# Altium PCB CPU_CARD.pcbdoc (part 8 of 10) (continued)
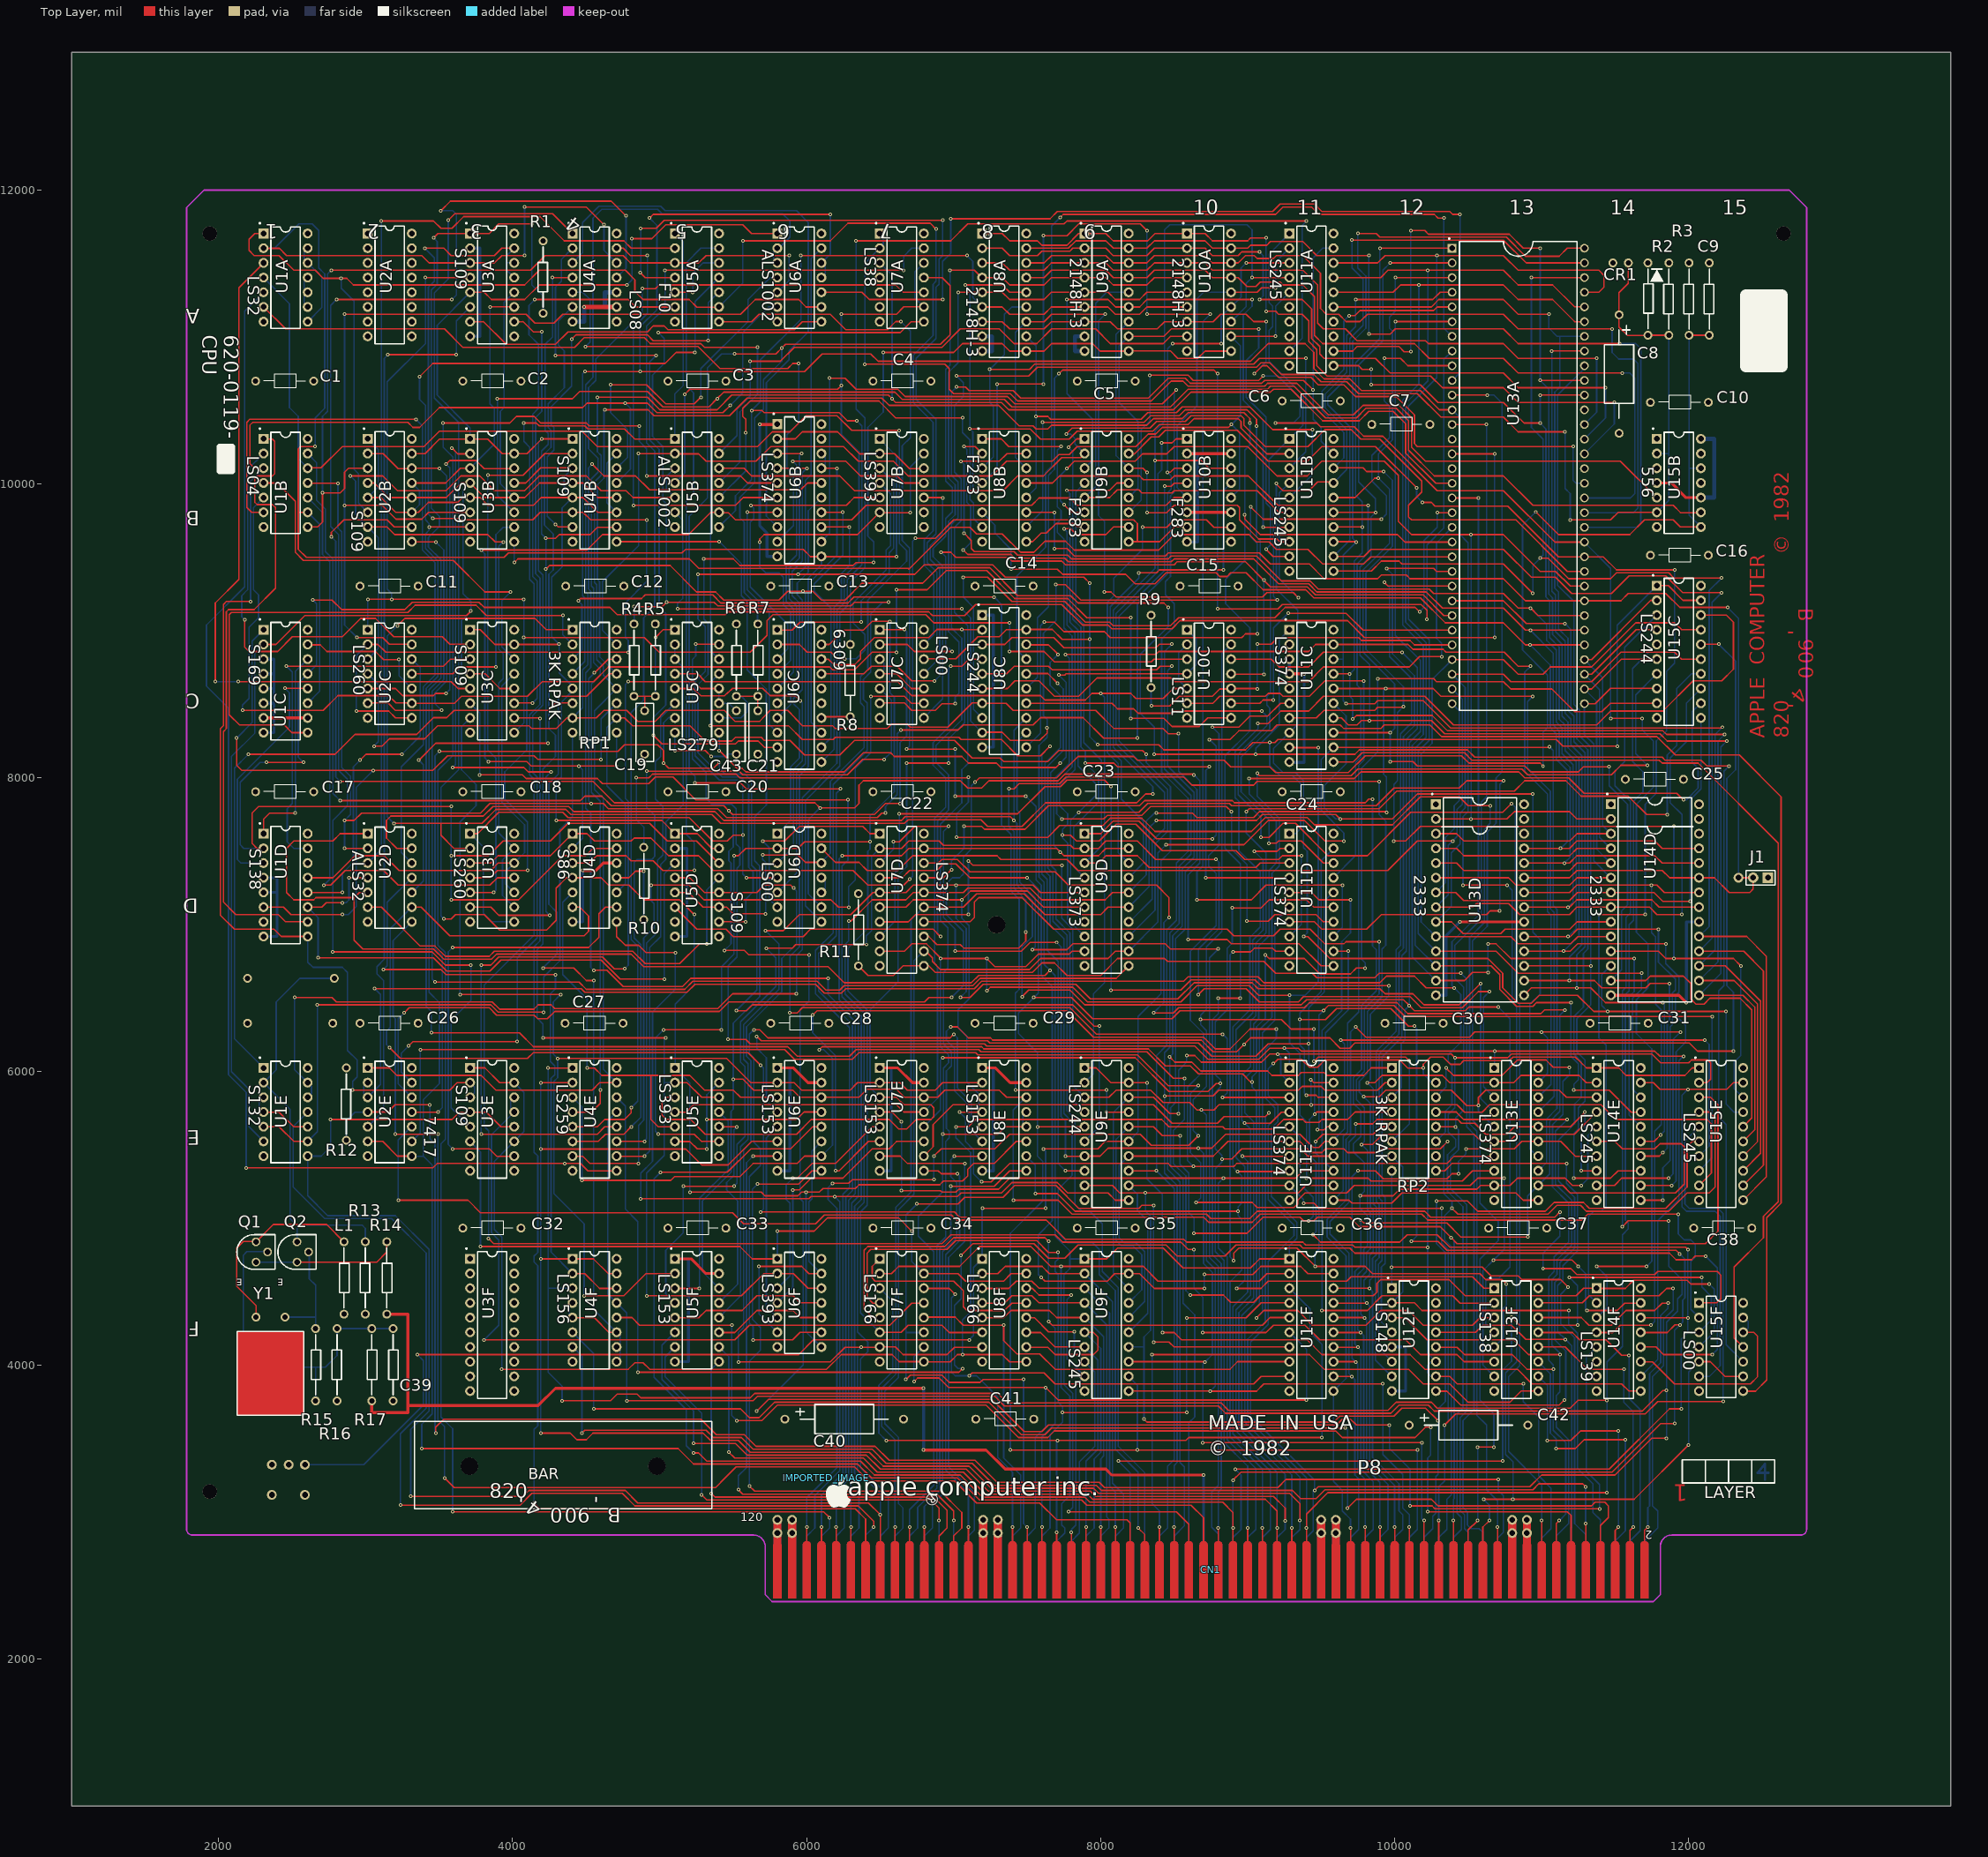
[diagram p0: Top Layer view]
## Nets (pads, with @x,y where several pads share a name; then routed paths per layer and width w, separated by ;. In a path a pad name is that pad's centre, name@x,y a point inside that pad or via, vN(x,y) a via of type N, cw(c..) or ccw(c..) an arc to the next point about the centre after c; other vN are vias at no path point) (continued)
  Bottom Layer w10: v1(7801.7,2862.2) 7801.7,2882.2 7831.7,2912.2 7831.7,3863.4 U9F.9@7891.92,3923.59 7771.7,4043.8 7771.7,4447.2 v1(7801.7,4477.2)
MD8: CN1.81 U7F.2 U11F.2 | length 5126.9
  Top Layer w10: U7F.2@6498.23,4623.6 6499.6,4622.2 6576.7,4622.2 6626.7,4672.2 7041.7,4672.2 7176.7,4807.2 7526.7,4807.2 7661.7,4672.2 v1(7731.7,4672.2) 8291.7,4672.2 8391.7,4572.2 9081.7,4572.2 9133.09,4623.6 U11F.2@9285.62,4623.59
  Bottom Layer w10: 7701.77,2607.2 7701.77,2802.27 7756.7,2857.2 7756.7,2892.2 7736.7,2912.2 7736.7,3057.2 7791.7,3112.2 7791.7,3787.2 7731.7,3847.2 v1(7731.7,4672.2)
MD9: CN1.82 U7F.3 U11F.3 | length 6097.5
  Top Layer w10: v1(6541.7,3487.2) 7101.7,3487.2 7706.7,3487.2 8581.7,3487.2 8601.7,3507.2 v1(9506.7,3507.2) ; v1(7701.7,2862.2) 7701.77,2862.14 7701.77,2607.2
  Bottom Layer w10: U7F.3@6498.23,4523.6 6586.7,4435.1 6586.7,3957.2 6491.7,3862.2 6491.7,3537.2 v1(6541.7,3487.2) ; v1(7701.7,2862.2) 7701.7,3479.74 v1(7709.17,3487.2) ; U11F.3@9285.62,4523.59 9426.7,4382.51 9426.7,4222.2 9506.7,4142.2 v1(9506.7,3507.2)
MD10: CN1.83 U7F.4 U11F.4 | length 6249.9
  Top Layer w10: U7F.4@6498.23,4423.6 6496.9,4422.2 6451.7,4422.2 6411.7,4462.2 6411.7,4762.2 6436.7,4787.2 6956.7,4787.2 7016.7,4847.2 7566.7,4847.2 7646.7,4767.2 v1(7711.7,4767.2) ; v1(7741.7,3677.2) v1(8586.7,3677.2) ; v1(8586.7,4322.2) 8991.7,4322.2 9093.1,4423.6 U11F.4@9285.62,4423.59
  Bottom Layer w10: 7601.76,2607.2 7601.76,2837.26 7656.7,2892.2 7656.7,3527.2 7741.7,3612.2 v1(7741.7,3677.2) 7741.7,3717.2 7711.7,3747.2 7711.7,4617.2 7691.7,4637.2 7691.7,4702.2 7711.7,4722.2 v1(7711.7,4767.2) ; v1(8586.7,3677.2) v1(8586.7,4322.2)
MD11: CN1.84 U7F.5 U11F.5 | length 5794
  Top Layer w10: U7F.5@6498.23,4323.6 6496.9,4322.2 6451.7,4322.2 6391.7,4382.2 6391.7,4782.2 6416.7,4807.2 6941.7,4807.2 7001.7,4867.2 7621.7,4867.2 v1(7646.7,4842.2) ; v1(7601.7,2897.2) v1(7601.7,2897.2) CN1.84@7601.71,2607.22 ; v1(7646.7,4297.2) 7671.7,4272.2 9101.7,4272.2 9153.09,4323.6 U11F.5@9285.62,4323.59
  Bottom Layer w10: v1(7601.7,2897.2) 7601.7,3512.2 7691.7,3602.2 7691.7,4252.2 v1(7646.7,4297.2) v1(7646.7,4842.2)
MD12: CN1.85 U7F.10 U11F.6 | length 4807.7
  Top Layer w10: v1(6731.7,3887.2) 6756.7,3912.2 6901.7,3912.2 6966.7,3847.2 v1(7626.7,3847.2) 7711.7,3762.2 v1(9401.7,3762.2)
  Bottom Layer w10: v1(6731.7,3887.2) 6731.7,4057.06 U7F.10@6798.23,4123.6 ; CN1.85@7501.71,2607.23 7501.75,2837.25 7556.7,2892.2 7556.7,3507.2 7626.7,3577.2 v1(7626.7,3847.2) ; U11F.6@9285.62,4223.59 9401.7,4107.51 v1(9401.7,3762.2)
MD13: CN1.86 U7F.11 U11F.7 | length 7097.1
  Top Layer w10: v1(6676.7,3902.2) 6706.7,3932.2 6921.7,3932.2 6971.7,3882.2 7181.57,3882.2 7201.57,3902.2 v1(7476.7,3902.2) ; v1(6751.7,5097.2) 7031.7,5097.2 7076.7,5142.2 7336.7,5142.2 7416.7,5222.2 7696.7,5222.2 7851.7,5067.2 8261.7,5067.2 8281.7,5087.2 v1(8361.7,5087.2) ; v1(7501.7,2897.2) v1(7501.7,2897.2) CN1.86@7501.71,2607.22 ; v1(8361.7,4157.2) 8466.7,4157.2 8500.31,4123.6 U11F.7@9285.62,4123.59
  Bottom Layer w10: v1(6676.7,3902.2) 6676.7,4222.2 ; v1(6751.7,5097.2) 6676.7,5022.2 6676.7,4222.2 ; U7F.11@6798.23,4223.6 6796.85,4222.2 6676.7,4222.2 ; v1(7476.7,3902.2) 7476.7,2922.2 v1(7501.7,2897.2) ; v1(8361.7,4157.2) v1(8361.7,5087.2)
MD14: CN1.87 U7F.12 U11F.8 | length 4454.1
  Top Layer w10: U7F.12@6798.23,4323.6 6801.85,4327.2 7011.7,4327.2 7066.7,4272.2 v1(7341.7,4272.2) 7341.7,4167.2 7431.7,4077.2 7586.7,4077.2 7691.7,3972.2 8881.7,3972.2 8933.1,4023.6 U11F.8@9285.62,4023.59
  Bottom Layer w10: v1(7341.7,4272.2) 7341.7,3367.2 7456.7,3252.2 7456.7,2892.2 7401.75,2837.25 CN1.87@7401.67,2607.25
MD15: CN1.88 U7F.14 U11F.9 | length 4612.4
  Top Layer w10: U7F.14@6798.23,4523.6 6799.63,4522.2 6971.7,4522.2 v1(7011.7,4482.2) ; v1(7106.7,3927.2) 7126.7,3947.2 7616.7,3947.2 7691.7,3872.2 9041.7,3872.2 9093.1,3923.6 U11F.9@9285.62,3923.59 ; v1(7401.7,2897.2) v1(7401.7,2897.2) CN1.88@7401.67,2607.23
  Bottom Layer w10: v1(7011.7,4482.2) 6986.7,4457.2 6986.7,3952.2 7011.7,3927.2 v1(7106.7,3927.2) 7156.7,3927.2 7301.7,3782.2 7301.7,3372.2 7401.7,3272.2 v1(7401.7,2897.2)
MMUIO: U1A.4 U1B.12 U5D.5 U5D.11 U6D.12 | length 10449.9
  Top Layer w10: U1B.12@2605.32,10104.29 2608.2,10107.2 2696.7,10107.2 2841.7,10252.2 3396.7,10252.2 3501.7,10357.2 4471.7,10357.2 4576.7,10252.2 5666.7,10252.2 5766.7,10352.2 5886.7,10352.2 5996.7,10462.2 6206.7,10462.2 6306.7,10362.2 v1(6631.7,10362.2) ; U5D.5@5104.53,7217.29 5196.6,7217.3 5296.6,7117.3 U5D.11@5404.53,7117.29 ; U5D.11@5404.53,7117.29 5456.56,7117.34 5501.7,7072.2 v1(5721.7,7072.2) ; v1(5701.7,7472.2) 5941.7,7472.2 5991.7,7422.2 6099.38,7422.2 U6D.12@6101.38,7424.2
  Bottom Layer w10: U1A.4@2305.3,11400.9 2481.7,11224.5 2481.7,10517.2 2541.7,10457.2 2541.7,10169.8 U1B.12@2605.32,10104.29 ; v1(5701.7,7472.2) 5701.7,7442.2 5721.7,7422.2 v1(5721.7,7072.2) ; U6D.12@6101.4,7424.2 6161.7,7484.5 6161.7,7972.2 6391.7,8202.2 6391.7,8482.2 6366.7,8507.2 6366.7,8687.2 6416.7,8737.2 6416.7,9207.2 6681.7,9472.2 6681.7,9542.2 6631.7,9592.2 v1(6631.7,10362.2)
MREAD: CN1.107 U1E.11 | length 7115
  Top Layer w10: v1(3236.7,3047.2) 4051.7,3047.2 4131.7,3127.2 4746.7,3127.2 4831.7,3042.2 6351.7,3042.2 6456.7,2937.2 v1(6456.7,2897.2)
  Bottom Layer w10: U1E.11@2605.32,5722.8 2506.7,5624.2 2506.7,5212.2 2721.7,4997.2 3176.7,4997.2 3411.7,4762.2 3411.7,3707.2 3236.7,3532.2 v1(3236.7,3047.2) ; CN1.107@6401.58,2607.23 6401.64,2842.14 v1(6456.7,2897.2)
MS1: U7C.6 U8A.5 U9A.5 U10A.5 | length 5096.8
  Top Layer w10: U7C.6@6498.23,8505.08 6500.4,8507.2 6666.7,8507.2 6716.7,8457.2 6876.7,8457.2 6921.7,8502.2 v1(7011.7,8502.2) ; v1(7031.7,11302.2) 7194.79,11302.2 U8A.5@7195.07,11301.92 ; U8A.5@7195.07,11301.92 7332,11301.9 7381.7,11252.2 7616.7,11252.2 7666.4,11301.9 U9A.5@7891.92,11301.92 8052,11301.9 8101.7,11252.2 8266.7,11252.2 8316.4,11301.9 U10A.5@8588.77,11301.92
  Bottom Layer w10: v1(7011.7,8502.2) 7011.7,8547.2 7036.7,8572.2 7036.7,8922.2 6966.7,8992.2 6966.7,9742.2 7011.7,9787.2 7011.7,9992.2 6966.7,10037.2 6966.7,10757.2 7031.7,10822.2 v1(7031.7,11302.2)
MS2: U7C.8 U8A.4 U9A.4 U10A.4 | length 4927.4
  Top Layer w10: v1(6976.7,11452.2) 7141.7,11452.2 7191.98,11401.92 U8A.4@7195.07,11401.92 ; U8A.4@7195.07,11401.92 7332,11401.9 7381.7,11352.2 7616.7,11352.2 7666.4,11401.9 U9A.4@7891.92,11401.92 8037,11401.9 8086.7,11352.2 8316.7,11352.2 8366.4,11401.9 U10A.4@8588.77,11401.92
  Bottom Layer w10: U7C.8@6798.23,8405.08 6926.7,8533.6 6926.7,9437.2 6861.7,9502.2 6861.7,9557.2 6946.7,9642.2 6946.7,9762.2 6991.7,9807.2 6991.7,9972.2 6946.7,10017.2 6946.7,10777.2 6976.7,10807.2 v1(6976.7,11452.2)
PCK: U1C.13 U1D.2 U4D.13 U5D.14 U13A.15 | length 17715.2
  Top Layer w10: U1D.2@2305.33,7517.29 2261.62,7517.28 2226.7,7552.2 2226.7,7757.2 2271.7,7802.2 v1(3581.7,7802.2) ; v1(2326.7,8102.2) v1(2576.7,8102.2) ; v1(2641.7,9207.2) 2771.7,9207.2 2836.7,9142.2 3266.7,9142.2 3316.7,9192.2 3771.7,9192.2 3806.7,9157.2 4661.7,9157.2 4711.7,9107.2 5446.7,9107.2 5466.7,9127.2 6831.7,9127.2 6856.7,9102.2 7076.7,9102.2 7151.7,9177.2 7736.7,9177.2 7876.7,9037.2 8051.7,9037.2 8076.7,9012.2 8486.7,9012.2 8541.7,9067.2 9681.7,9067.2 9796.7,8952.2 v1(10681.7,8952.2) ; v1(3581.7,7167.2) 4041.7,7167.2 4341.7,7467.2 4496.7,7467.2 4546.7,7517.2 U4D.13@4707.68,7517.29 ; v1(3581.7,7467.2) 3836.7,7467.2 3936.7,7567.2 4256.7,7567.2 4376.7,7687.2 4931.7,7687.2 5051.7,7567.2 5251.7,7567.2 5401.6,7417.3 U5D.14@5404.53,7417.29 ; U13A.15@10392.71,10201.93 v1(10681.7,10202.2)
  Bottom Layer w10: U1D.2@2305.33,7517.29 2171.6,7517.3 2146.7,7542.2 2146.7,7967.2 2281.7,8102.2 v1(2326.7,8102.2) ; v1(2576.7,8102.2) 2541.7,8137.2 2541.7,8641.4 U1C.13@2605.33,8705.08 2666.7,8766.4 2666.7,9182.2 v1(2641.7,9207.2) ; v1(3581.7,7167.2) v1(3581.7,7467.2) v1(3581.7,7802.2) ; v1(10681.7,8952.2) v1(10681.7,10202.2)
PLNCLR: 
Q1_1: Q1.1 Q2.1 R14.1 | length 987.6
  Top Layer w10: Q2.1@2532.96,4701.35 3075.8,4701.3 3143.9,4769.4 R14.1@3143.9,4839.1
  Bottom Layer w10: Q1.1@2254.14,4701.35 Q2.1@2532.96,4701.35
Q1_2: C39.1 Q1.2 R15.2 R16.2 R17.1 | length 2386.3
  Bottom Layer w10: Q1.2@2332.88,4770.24 2330.92,4772.2 2191.7,4772.2 2166.7,4747.2 2166.7,4017.2 2196.7,3987.2 2726.7,3987.2 2805.32,4065.82 R16.2@2805.3,4248.57 R17.1@3041.5,4248.56 C39.1@3187.2,4248.56 ; 2659.1,3987.2 R15.2@2659.6,3756.5
Q1_3: L1.1 Q1.3 Y1.2 | length 1373.3
  Top Layer w10: Y1.2@2254.1,4327.3 2254.1,4404.8 2121.7,4537.2 2121.7,4797.2 2166.7,4842.2 2251.1,4842.2 Q1.3@2254.14,4839.14 ; Q1.3@2254.14,4839.14 2372.2,4957.2 2734.5,4957.2 L1.1@2852.56,4839.14
Q2_2: Q2.2 R15.1 Y1.1 | length 750.1
  Bottom Layer w10: Y1.1@2451.02,4327.3 2659.6,4327 ; Q2.2@2611.7,4770.24 2616.7,4765.24 2616.7,4587.2 2659.65,4544.25 R15.1@2659.65,4248.59
R1: CN1.71 U15F.3 | length 6548.8
  Top Layer w10: v1(8121.7,3347.2) v1(10736.7,3347.2) ; v1(10796.7,4327.2) 10851.7,4272.2 v1(11246.7,4272.2) ; v1(11191.7,4597.2) v1(12091.7,4597.2)
  Bottom Layer w10: v1(8121.7,3347.2) 8201.83,3267.07 CN1.71@8201.75,2607.24 ; v1(10736.7,3347.2) 10736.7,3967.2 10796.7,4027.2 v1(10796.7,4327.2) ; v1(11191.7,4597.2) 11246.7,4542.2 v1(11246.7,4272.2) ; U15F.3@12073.02,4223.59 12156.7,4307.3 12156.7,4467.2 12091.7,4532.2 v1(12091.7,4597.2)
R2: CN1.72 U2D.8 | length 9380.1
  Top Layer w10: v1(3201.7,5572.2) v1(3491.7,5572.2) ; v1(3536.7,3232.2) 3601.7,3167.2 4796.7,3167.2 5381.7,3167.2 5446.7,3232.2 5521.7,3307.2 6326.7,3307.2 6421.7,3212.2 7006.7,3212.2 7156.7,3062.2 7586.7,3062.2 7701.7,2947.2 8181.7,2947.2 8201.83,2927.07 CN1.72@8201.75,2607.23
  Bottom Layer w10: v1(3201.7,5572.2) 3201.7,6357.2 3186.7,6372.2 3186.7,6890 U2D.8@3313.98,7017.29 ; v1(3491.7,5572.2) 3491.7,3627.2 3536.7,3582.2 v1(3536.7,3232.2)
RA1: CN1.93 U7E.7 | length 3499
  Top Layer w10: U7E.7@6498.23,5422.81 6636.7,5422.8 6687.3,5372.2 v1(7076.7,5372.2)
  Bottom Layer w10: v1(7076.7,5372.2) 7076.7,4842.2 6966.7,4732.2 6966.7,3307.2 7141.7,3132.2 7141.7,2877.2 7101.7,2837.2 CN1.93@7101.66,2607.23
RA2: CN1.94 U7E.9 | length 3041.8
  Top Layer w10: U7E.9@6798.23,5322.81 6896.1,5322.8 6916.7,5302.2 v1(7026.7,5302.2) ; CN1.94@7101.66,2607.22 v1(7101.7,2897.2)
  Bottom Layer w10: v1(7026.7,5302.2) 7041.7,5287.2 7041.7,4847.2 6946.7,4752.2 6946.7,3287.2 7101.7,3132.2 v1(7101.7,2897.2)
RA3: CN1.95 U6E.7 | length 4401.8
  Top Layer w10: v1(5536.7,3152.2) 5566.7,3122.2 6886.7,3122.2 7001.7,3007.2 v1(7001.7,2942.2) ; v1(5636.7,5422.8) U6E.7@5801.38,5422.81
  Bottom Layer w10: v1(5536.7,3152.2) 5536.7,3247.2 5591.7,3302.2 5591.7,5377.8 v1(5636.7,5422.8) ; 7001.69,2607.2 v1(7001.7,2942.2)
RA4: CN1.96 U6E.9 | length 4527.8
  Top Layer w10: v1(5611.7,3177.2) 5646.7,3142.2 6911.7,3142.2 7056.7,2997.2 7056.4,2892.2 7001.69,2837.49 7001.69,2607.2 ; v1(5666.7,5232.2) 5946.1,5232.2 6036.7,5322.8 U6E.9@6101.38,5322.81
  Bottom Layer w10: v1(5611.7,3177.2) 5611.7,4027.2 5686.7,4102.2 5686.7,4257.2 5631.7,4312.2 5631.7,5197.2 v1(5666.7,5232.2)
RA5: CN1.97 U5F.7 | length 3210.3
  Top Layer w10: v1(5286.7,3117.2) 5321.7,3082.2 6846.7,3082.2 6901.7,3027.2 v1(6901.7,2942.2)
  Bottom Layer w10: U5F.7@5104.53,4123.6 5036.7,4055.75 5036.7,3922.2 5286.7,3672.2 v1(5286.7,3117.2) ; 6901.69,2607.2 v1(6901.7,2942.2)
RA6: CN1.98 U5F.9 | length 2998.7
  Top Layer w10: v1(5351.7,3127.2) 5376.7,3102.2 6866.7,3102.2 6956.7,3012.2 6956.7,2892.2 6901.68,2837.18 6901.68,2607.2
  Bottom Layer w10: v1(5351.7,3127.2) 5351.7,3970.75 U5F.9@5404.53,4023.6
RA7: CN1.99 U8E.7 | length 3121.7
  Top Layer w10: v1(7006.7,5422.2) 7194.49,5422.2 U8E.7@7195.08,5422.81
  Bottom Layer w10: 6801.68,2607.2 6801.68,2837.18 6856.7,2892.2 6856.7,3052.2 6926.7,3122.2 6926.7,4772.2 7021.7,4867.2 7021.7,5242.2 6981.7,5282.2 6981.7,5397.2 v1(7006.7,5422.2)
RA8: CN1.100 U8E.9 | length 3241.5
  Top Layer w10: 6801.67,2607.2 v1(6801.7,2897.2) ; v1(6981.7,5217.2) 7276.7,5217.2 7381.7,5322.2 U8E.9@7495.08,5322.81
  Bottom Layer w10: v1(6801.7,2897.2) 6801.7,3037.2 6906.7,3142.2 6906.7,4792.2 6981.7,4867.2 v1(6981.7,5217.2)
RAS: U3C.7 U5F.2 U6E.2 U7E.2 U8E.2 | length 8578.1
  Top Layer w10: v1(3641.7,6522.2) v1(4326.7,6522.2) ; v1(4306.7,6087.2) 5456.7,6087.2 5621.1,5922.8 U6E.2@5801.38,5922.81 5916.1,5922.8 5966.7,5872.2 6296.7,5872.2 6346.7,5922.2 U7E.2@6498.23,5922.81 6636.1,5922.8 6686.7,5872.2 6876.7,5872.2 6926.7,5922.2 U8E.2@7195.08,5922.81 ; v1(4486.7,4472.2) 4756.7,4472.2 4906.7,4622.2 5103.15,4622.2 U5F.2@5104.53,4623.6
  Bottom Layer w10: v1(3641.7,6522.2) 3641.7,7697.2 3751.7,7807.2 3751.7,7952.2 3651.7,8052.2 3651.7,8345.9 U3C.7@3710.83,8405.08 ; v1(4326.7,6522.2) 4276.7,6472.2 4276.7,6117.2 v1(4306.7,6087.2) 4306.7,5957.2 4281.7,5932.2 4281.7,5167.2 4486.7,4962.2 v1(4486.7,4472.2)
READ: CN1.64 RP2.15 U2D.1 U2D.5 U5B.6 U8C.9 U9F.1 U11A.1 U11B.1 U11F.1 U14E.1 U15E.1 | length 29137.5
  Top Layer w10: U2D.5@3013.98,7217.29 2956.8,7217.3 2921.7,7182.2 ; U2D.1@3013.98,7617.29 2826.79,7617.29 2776.7,7567.2 2511.7,7567.2 2461.7,7517.2 2461.7,7217.2 2511.7,7167.2 2646.7,7167.2 2661.7,7182.2 2921.7,7182.2 ; v1(5121.7,9147.2) v1(7056.7,9147.2) ; U8C.9@7195.07,8305.08 7197.19,8307.2 7331.7,8307.2 7386.7,8252.2 7586.7,8252.2 7636.7,8302.2 v1(7636.7,8337.2) ; v1(7656.7,6687.2) 7621.7,6652.2 7171.7,6652.2 7121.7,6602.2 6256.7,6602.2 6146.7,6712.2 4891.7,6712.2 4806.7,6797.2 3891.7,6797.2 3856.7,6762.2 3531.7,6762.2 3461.7,6832.2 2981.7,6832.2 2921.7,6892.2 2921.7,7182.2 ; v1(7696.7,9312.2) 7761.7,9312.2 7866.7,9207.2 v1(9201.7,9207.2) ; v1(7781.7,3002.2) 8516.7,3002.2 8601.86,2917.04 8601.86,2607.2 ; U9F.1@7891.92,4723.59 8043.1,4723.6 8116.7,4797.2 8426.7,4797.2 8561.7,4662.2 9021.7,4662.2 9083.1,4723.6 U11F.1@9285.62,4723.59 ; v1(9176.7,6052.2) 9206.7,6082.2 9366.7,6082.2 9421.7,6027.2 9476.7,6027.2 9526.7,6077.2 10036.7,6077.2 10091.7,6022.2 v1(10196.7,6022.2) 10196.7,6047.2 10246.7,6097.2 10331.7,6097.2 10381.7,6047.2 10446.7,6047.2 10471.7,6072.2 10781.7,6072.2 10806.7,6097.2 11231.7,6097.2 11307.3,6022.8 U14E.1@11376.17,6022.8 ; U14E.1@11376.17,6022.8 11526.1,6022.8 11576.7,5972.2 11976.7,5972.2 12027.3,6022.8 U15E.1@12073.02,6022.8
  Bottom Layer w10: U5B.6@5104.53,9804.29 5156.7,9752.12 5156.7,9217.2 5121.7,9182.2 v1(5121.7,9147.2) ; v1(7056.7,9147.2) 7116.7,9087.2 7116.7,8467.2 7116.7,8383.45 U8C.9@7195.07,8305.08 ; v1(7696.7,9312.2) 7696.7,9067.2 7611.7,8982.2 7611.7,8419.6 7636.7,8394.6 v1(7636.7,8337.2) 7636.7,8273.1 7581.7,8218.1 7581.7,7322.2 7616.7,7287.2 7616.7,6727.2 v1(7656.7,6687.2) 7691.7,6652.2 7691.7,4877.2 7791.7,4777.2 7791.7,4657.2 7751.7,4617.2 7751.7,3867.2 7811.7,3807.2 7811.7,3032.2 v1(7781.7,3002.2) ; 7791.7,4723.59 U9F.1@7891.92,4723.59 ; v1(9176.7,6052.2) 9141.7,6017.2 9141.7,5837.2 9206.7,5772.2 9206.7,5657.2 9161.7,5612.2 9161.7,5147.2 9336.7,4972.2 9336.7,4862.2 9285.6,4811.1 U11F.1@9285.62,4723.59 ; v1(9201.7,9207.2) 9176.7,9232.2 9176.7,9857.2 9146.7,9887.2 9146.7,10165.4 U11B.1@9285.62,10304.29 9376.7,10395.4 9376.7,10602.2 9146.7,10832.2 9146.7,11042.2 9171.7,11067.2 9171.7,11207.2 9146.7,11232.2 9146.7,11562.2 U11A.1@9285.62,11701.92 ; v1(10196.7,6022.2) 10196.7,5982.2 10256.1,5922.8 RP2.15@10282.48,5922.81
RP1_2: RP1.2 U1C.9 | length 3814.6
  Top Layer w10: U1C.9@2605.33,8305.08 2498.8,8305.1 2446.7,8357.2 2141.7,8357.2 2071.7,8427.2 2071.7,9107.2 2086.7,9122.2 3286.7,9122.2 3336.7,9172.2 3751.7,9172.2 3821.7,9102.2 v1(4341.7,9102.2)
  Bottom Layer w10: v1(4341.7,9102.2) 4341.7,8971.07 RP1.2@4407.68,8905.08
RP1_3: RP1.3 U9E.17 | length 7675.9
  Top Layer w10: v1(4446.7,9202.2) 4461.7,9217.2 4876.7,9217.2 4901.7,9242.2 5361.7,9242.2 5416.7,9187.2 6281.7,9187.2 6321.7,9227.2 v1(7276.7,9227.2) ; v1(7421.7,5872.2) v1(8041.7,5872.2) ; v1(8041.7,5722.2) U9E.17@8191.92,5722.8
  Bottom Layer w10: RP1.3@4407.68,8805.08 4471.7,8869.1 4471.7,9177.2 v1(4446.7,9202.2) ; v1(7276.7,9227.2) 7326.7,9177.2 7326.7,7677.2 7391.7,7612.2 7391.7,7227.2 7446.7,7172.2 7446.7,6557.2 7421.7,6532.2 v1(7421.7,5872.2) ; v1(8041.7,5722.2) v1(8041.7,5872.2)
RP1_5: RP1.5 U2B.1 U2B.5 U2B.11 U2B.13 U3A.11 U3B.3 U3B.5 U3B.13 U3C.1 U3C.15 U4B.3 U4B.5 U4B.11 U4B.15 U5D.1 U5D.15 | length 9682.8
  Top Layer w10: U2B.5@3013.99,9904.29 3104.6,9904.3 3204.6,9804.3 U2B.11@3313.99,9804.29 3358.8,9804.3 3426.7,9872.2 3626.7,9872.2 3658.8,9904.3 U3B.5@3710.83,9904.3 3779.6,9904.3 3831.7,9852.2 4141.7,9852.2 4193.8,9904.3 U4B.5@4407.68,9904.3 4479.6,9904.3 4579.6,9804.3 U4B.11@4707.68,9804.3 ; U2B.13@3313.99,10004.29 3543.8,10004.3 3643.8,10104.3 U3B.3@3710.83,10104.3 ; U3C.1@3710.83,9005.08 3778.8,9005.1 3878.8,8905.1 U3C.15@4010.83,8905.08 ; v1(3846.7,11202.2) 4010.5,11202.2 U3A.11@4010.83,11201.93 ; U3B.13@4010.83,10004.3 4088.8,10004.3 4191.7,10107.2 4404.8,10107.2 U4B.3@4407.68,10104.3 ; U3C.15@4010.83,8905.08 4314.57,8905.08 v1(4316.7,8907.2) ; v1(4296.7,7707.2) 5014.61,7707.2 U5D.1@5104.53,7617.29 ; U5D.1@5104.53,7617.29 5256.7,7617.2 5356.6,7517.3 U5D.15@5404.53,7517.29
  Bottom Layer w10: U2B.5@3013.99,9904.29 3086.7,9977 3086.7,10231.6 U2B.1@3013.99,10304.29 ; U2B.11@3313.99,9804.29 3366.7,9857 3366.7,9951.6 U2B.13@3313.99,10004.29 ; U3B.3@3710.83,10104.3 3876.7,10270.2 3876.7,10512.2 3846.7,10542.2 v1(3846.7,11202.2) ; v1(4296.7,7707.2) 4296.7,7967.2 4331.7,8002.2 4331.7,8512.2 4407.7,8588.2 RP1.5@4407.68,8605.08 4407.7,8621.2 4316.7,8712.2 v1(4316.7,8907.2) 4266.7,8957.2 4266.7,9362.2 4336.7,9432.2 4336.7,9833.3 U4B.5@4407.68,9904.3 4351.7,9960.28 4351.7,10048.31 U4B.3@4407.68,10104.3 ; U4B.11@4707.68,9804.3 4641.7,9870.3 4641.7,10138.3 U4B.15@4707.68,10204.3
RP1_6: RP1.6 U1E.1 | length 4607.9
  Top Layer w10: v1(2201.7,8157.2) 2791.7,8157.2 2926.7,8292.2 3346.7,8292.2 3461.7,8407.2 3551.7,8407.2 3601.7,8457.2 4241.7,8457.2 4291.7,8507.2 4405.56,8507.2 RP1.6@4407.68,8505.08
  Bottom Layer w10: v1(2201.7,8157.2) 2106.7,8062.2 2106.7,6221.4 U1E.1@2305.32,6022.8
RP1_8: RP1.8 U1E.5 U1E.9 | length 4842.9
  Top Layer w10: U1E.5@2305.32,5622.8 2411.7,5622.2 2511.1,5522.8 U1E.9@2605.32,5522.8 ; v1(2671.7,6452.2) 3851.7,6452.2 3901.7,6402.2 v1(4211.7,6402.2)
  Bottom Layer w10: U1E.9@2605.32,5522.8 2671.7,5589.19 v1(2671.7,6452.2) ; v1(4211.7,6402.2) 4211.7,6642.2 4321.7,6752.2 4321.7,7647.2 4407.7,7733.2 RP1.8@4407.68,8305.08
RP1_11: RP1.11 U1C.1 U1D.6 | length 5728.6
  Top Layer w10: v1(2121.7,8267.2) 2121.7,8082.2 2156.7,8047.2 v1(3051.7,8047.2) 3456.7,8047.2 3556.7,8147.2 4146.7,8147.2 4171.7,8122.2 v1(4601.7,8122.2) ; U1D.6@2305.33,7117.29 2441.7,7117.2 2491.7,7067.2 v1(2841.7,7067.2)
  Bottom Layer w10: v1(2121.7,8267.2) 2226.7,8372.2 2226.7,8926.5 U1C.1@2305.33,9005.08 2227.8,8928.3 ; v1(2841.7,7067.2) 2881.7,7067.2 2936.7,7122.2 2936.7,7932.2 v1(3051.7,8047.2) ; v1(4601.7,8122.2) 4601.7,8399.08 RP1.11@4707.68,8505.08
RP1_12: RP1.12 U2E.1 U4E.15 U7A.3 U13A.17 | length 14045.6
  Top Layer w10: U2E.1@3013.98,6022.8 3161.1,6022.8 3211.7,5972.2 3786.7,5972.2 3886.7,5872.2 4541.7,5872.2 4592.3,5922.8 U4E.15@4707.68,5922.81 ; v1(4576.7,10587.2) 4916.7,10587.2 5001.7,10502.2 5391.7,10502.2 5491.7,10602.2 6556.7,10602.2 v1(6581.7,10577.2) 6606.7,10552.2 7326.7,10552.2 7376.7,10502.2 8496.7,10502.2 8616.7,10622.2 9156.7,10622.2 9176.7,10642.2 9296.7,10642.2 9511.7,10427.2 9761.7,10427.2 9826.7,10492.2 9991.7,10492.2 10076.7,10407.2 10076.7,10207.2 10282,10001.9 U13A.17@10392.71,10001.93
  Bottom Layer w10: v1(4576.7,10587.2) 4576.7,10217.2 4601.7,10192.2 4601.7,10057.2 4556.7,10012.2 4556.7,9327.2 4571.7,9312.2 4571.7,8802.2 4616.7,8757.2 4616.7,8696.1 RP1.12@4707.68,8605.08 4556.7,8454.1 4556.7,7917.2 4616.7,7857.2 4616.7,6013.8 U4E.15@4707.68,5922.81 ; U7A.3@6498.23,11501.92 6581.7,11418.4 v1(6581.7,10577.2)
RP2_11: RP2.11 U2E.2 U2E.3 U13A.18 | length 13181.1
  Top Layer w10: v1(3061.7,6562.2) 4466.7,6562.2 4491.7,6537.2 5186.7,6537.2 5241.7,6592.2 6061.7,6592.2 6121.7,6532.2 6236.7,6532.2 6266.7,6562.2 7141.7,6562.2 7191.7,6612.2 8566.7,6612.2 8596.7,6642.2 9071.7,6642.2 9111.7,6602.2 9901.7,6602.2 9946.7,6647.2 10136.7,6647.2 10216.7,6567.2 v1(10406.7,6567.2) ; U13A.18@10392.71,9901.93 v1(10571.7,9901.93)
  Bottom Layer w10: U2E.2@3013.98,5922.8 3012.3,5922.8 2986.7,5897.2 2986.7,5850.08 U2E.3@3013.98,5822.8 3101.7,5910.5 3101.7,6522.2 v1(3061.7,6562.2) ; RP2.11@10282.48,5522.81 10346.7,5587 10346.7,5727.2 10391.7,5772.2 10391.7,6042.2 10366.7,6067.2 10366.7,6112.2 10451.7,6197.2 10451.7,6522.2 v1(10406.7,6567.2) 10391.7,6582.2 10391.7,6882.2 10571.7,7062.2 v1(10571.7,9901.93)
S$95: 
S$102266: 
S$102270: 
S$102274: 
S$102278: 
S$102286: 
S$102290: 
S$102300: 
S$102304: 
S$596661: 
S$956185: 
S$956189: 
S$957588: 
S$957592: 
S$957596: 
S$1012803: 
S$1012807: 
S$1013226: 
S$1013241: 
S$1013245: 
S$1018709: 
S$1034884: 
S$1034888: 
S$1034892: 
S$1034896: 
S$1034900: 
SEG1: U4E.6 U7C.5 | length 5250.1
  Top Layer w10: U4E.6@4407.68,5522.81 4582.3,5522.8 4631.7,5572.2 4756.7,5572.2 v1(4806.7,5622.2) ; v1(4911.7,8042.2) 5541.7,8042.2 5566.7,8017.2 6276.7,8017.2 6381.7,8122.2 v1(6526.7,8122.2)
  Bottom Layer w10: v1(4806.7,5622.2) 4871.7,5687.2 4871.7,6862.2 4826.7,6907.2 4826.7,7422.2 4846.7,7442.2 4946.7,7442.2 4966.7,7462.2 4966.7,7742.2 4911.7,7797.2 v1(4911.7,8042.2) ; U7C.5@6498.23,8605.08 6576.7,8526.6 6576.7,8172.2 v1(6526.7,8122.2)
SEG2: U4E.7 U7C.9 | length 5701.8
  Top Layer w10: U4E.7@4407.68,5422.81 4476.7,5422.2 4526.7,5372.2 v1(4856.7,5372.2) ; v1(4941.7,7267.2) 5201.7,7267.2 5301.7,7167.2 6166.7,7167.2 6216.7,7117.2 v1(6286.7,7117.2) ; v1(6436.7,8552.2) 6666.7,8552.2 6713.8,8505.1 U7C.9@6798.23,8505.08
  Bottom Layer w10: v1(4856.7,5372.2) 4856.7,5632.2 4891.7,5667.2 4891.7,6907.2 4961.7,6977.2 4961.7,7142.2 4941.7,7162.2 v1(4941.7,7267.2) ; v1(6286.7,7117.2) 6286.7,7257.2 6331.7,7302.2 6331.7,8062.2 6436.7,8167.2 v1(6436.7,8552.2)
SN: R8.1 U6C.14 | length 200.1
  Top Layer w10: U6C.14@6101.38,8405.08 6109.3,8413 R8.1@6298.2,8413.04
SPIO: U2C.13 U3B.6 U6A.9 | length 6896.6
  Top Layer w10: v1(2856.7,9852.2) 3111.7,9852.2 3206.7,9757.2 3381.7,9757.2 3428.8,9804.3 U3B.6@3710.83,9804.3 ; v1(2856.7,11152.2) 4091.7,11152.2 4151.7,11092.2 4171.7,11092.2 4281.7,11092.2 4341.7,11152.2 5551.7,11152.2 5651.7,11252.2 5946.7,11252.2 5996.98,11201.92 U6A.9@6101.38,11201.92 ; v1(2941.7,8952.2) 3116.7,8952.2 3161.7,8907.2 3311.86,8907.2 U2C.13@3313.98,8905.08
  Bottom Layer w10: v1(2856.7,11152.2) 2856.7,10017.2 v1(2856.7,9852.2) 2856.7,9037.2 v1(2941.7,8952.2)
TD0: U8A.14 U8B.5 U11B.2 | length 4316.6
  Top Layer w10: v1(7081.7,11352.2) 7331.7,11352.2 7382,11301.9 U8A.14@7495.07,11301.92 ; v1(7111.7,10372.2) 7521.7,10372.2 7591.7,10302.2 7786.7,10302.2 7841.7,10357.2 8356.7,10357.2 8401.7,10402.2 8596.7,10402.2 8636.7,10442.2 8936.7,10442.2 8956.7,10422.2 8956.7,10377.2 9131.7,10202.2 9283.5,10202.2 U11B.2@9285.62,10204.29
  Bottom Layer w10: v1(7081.7,11352.2) 7111.7,11322.2 v1(7111.7,10372.2) 7131.7,10352.2 7131.7,9967.68 U8B.5@7195.08,9904.3
TD1: U8A.13 U8B.3 U11B.3 | length 4275.4
  Top Layer w10: v1(7246.7,10777.2) 7516.7,10777.2 7551.7,10812.2 9041.7,10812.2 9081.7,10852.2 v1(9396.7,10852.2)
  Bottom Layer w10: U8B.3@7195.08,10104.3 7271.7,10180.9 7271.7,10527.2 7246.7,10552.2 v1(7246.7,10777.2) 7346.7,10877.2 7346.7,11152.2 7396.4,11201.9 U8A.13@7495.07,11201.92 ; U11B.3@9285.62,10104.29 9396.7,10215.37 v1(9396.7,10852.2)
TD2: U8A.12 U8B.14 U11B.4 | length 5767
  Top Layer w10: U8A.12@7495.07,11101.92 7616.4,11101.9 7666.7,11152.2 v1(8031.7,11152.2) ; v1(8026.7,9262.2) 8071.7,9262.2 8106.7,9227.2 9101.7,9227.2 9131.7,9257.2 9311.7,9257.2 v1(9346.7,9222.2)
  Bottom Layer w10: U8B.14@7495.08,10104.3 7421.7,10177.7 7421.7,11028.6 U8A.12@7495.07,11101.92 ; v1(8026.7,9262.2) 8026.7,9742.2 7986.7,9782.2 7986.7,11107.2 v1(8031.7,11152.2) ; U11B.4@9285.62,10004.29 9216.7,9935.4 9216.7,9352.2 v1(9346.7,9222.2)
TD3: U8A.11 U8B.12 U11B.5 | length 3668
  Top Layer w10: v1(7561.7,10457.2) 7641.7,10457.2 7661.7,10437.2 8276.7,10437.2 8321.7,10482.2 8516.7,10482.2 8556.7,10522.2 9016.7,10522.2 9171.7,10367.2 v1(9441.7,10367.2)
  Bottom Layer w10: U8B.12@7495.08,9904.3 7561.7,9970.9 v1(7561.7,10457.2) 7561.7,10935.3 U8A.11@7495.07,11001.92 ; U11B.5@9285.62,9904.29 9441.7,10060.37 v1(9441.7,10367.2)
TD4: U9A.14 U9B.5 U11B.6 | length 3101.3
  Top Layer w10: U9B.5@7891.93,9904.29 8061.7,9904.3 8114.6,9957.2 8261.7,9957.2 8281.7,9937.2 8486.7,9937.2 8501.7,9952.2 9066.7,9952.2 9214.6,9804.3 U11B.6@9285.62,9804.29
  Bottom Layer w10: U9B.5@7891.93,9904.29 7966.7,9979.04 7966.7,11226.92 8041.7,11301.92 U9A.14@8191.92,11301.92
TD5: U9A.13 U9B.3 U11B.7 | length 4355.3
  Top Layer w10: v1(7771.7,11252.2) 8051.7,11252.2 8102,11201.9 U9A.13@8191.92,11201.92 8266.4,11201.9 8316.7,11252.2 v1(9031.7,11252.2) ; v1(9106.7,9702.2) 9283.53,9702.2 U11B.7@9285.62,9704.29
  Bottom Layer w10: v1(7771.7,11252.2) 7771.7,10612.2 7946.7,10437.2 7946.7,10159 U9B.3@7891.93,10104.29 ; v1(9031.7,11252.2) 9031.7,11207.2 8971.7,11147.2 8971.7,10567.2 9106.7,10432.2 v1(9106.7,9702.2)
TD6: U9A.12 U9B.14 U11B.8 | length 2623
  Top Layer w10: U9B.14@8191.93,10104.29 8276.7,10104.28 8289.62,10104.28 v1(8316.7,10077.2) ; v1(8316.7,9802.2) 8451.7,9802.2 8501.7,9852.2 8931.7,9852.2 8946.7,9837.2 8946.7,9752.2 9076.7,9622.2 9201.7,9622.2 9221.7,9602.2 9283.5,9602.2 U11B.8@9285.62,9604.29
  Bottom Layer w10: U9A.12@8191.92,11101.92 8106.7,11016.7 8106.7,10189.52 U9B.14@8191.93,10104.29 ; v1(8316.7,9802.2) v1(8316.7,10077.2)
TD7: U9A.11 U9B.12 U11B.9 | length 3905.7
  Top Layer w10: U9A.11@8191.92,11001.92 8431.7,11001.92 8481.98,11052.2 v1(9076.7,11052.2) ; v1(9126.7,9552.2) 9174.61,9504.29 U11B.9@9285.62,9504.29
  Bottom Layer w10: U9B.12@8191.93,9904.29 8256.7,9969 8256.7,10422.2 8126.7,10552.2 8126.7,10936.7 U9A.11@8191.92,11001.92 ; v1(9076.7,11052.2) 9076.7,10922.2 8991.7,10837.2 8991.7,10587.2 9126.7,10452.2 9126.7,9867.2 9156.7,9837.2 9156.7,9582.2 v1(9126.7,9552.2)
U1A_3: U1A.3 U3C.5 | length 4738.5
  Top Layer w10: v1(1976.7,8652.2) 1976.7,9187.2 2136.7,9347.2 2136.7,11332.3 U1A.3@2305.3,11500.9 ; v1(2131.7,8652.2) 3581.7,8652.2 3628.9,8605 U3C.5@3710.8,8605
  Bottom Layer w10: v1(1976.7,8652.2) v1(2131.7,8652.2)
U1A_8: U1A.8 U1A.12 U1A.13 | length 599.4
  Bottom Layer w10: U1A.8@2605.32,11101.92 2701.7,11198.3 2701.7,11405.5 U1A.12@2605.32,11501.92 2605.32,11503.58 2581.7,11527.2 2581.7,11578.3 U1A.13@2605.32,11601.92
U1A_9: U1A.9 U1A.10 U1A.11 | length 239.1
  Bottom Layer w10: U1A.9@2605.32,11201.92 2581.7,11225.5 2581.7,11278.3 U1A.10@2605.32,11301.92 2581.7,11325.5 2581.7,11378.3 U1A.11@2605.32,11401.92
U1B_2: U1B.2 U3C.2 | length 3100
  Top Layer w10: v1(2176.7,9072.2) 2176.7,8887.2 2206.7,8857.2 2401.7,8857.2 2501.7,8957.2 2841.7,8957.2 2966.7,9082.2 3066.7,9082.2 3191.7,8957.2 3521.7,8957.2 3571.7,8907.2 3708.7,8907.2 U3C.2@3710.83,8905.08
  Bottom Layer w10: v1(2176.7,9072.2) 2156.7,9092.2 2156.7,9237.2 2196.7,9277.2 2196.7,10095.7 U1B.2@2305.32,10204.29
U1B_4: U1B.4 U3C.14 | length 2708.9
  Top Layer w10: U1B.4@2305.32,10004.29 2396.7,10004.3 2521.7,9879.3 2521.7,9532.2 2576.7,9477.2 3596.7,9477.2 3811.7,9262.2 v1(3986.7,9262.2)
  Bottom Layer w10: v1(3986.7,9262.2) 3926.7,9202.2 3926.7,8889.22 U3C.14@4010.83,8805.08
U1B_6: U1B.6 U2D.12 | length 5064.5
  Top Layer w10: U1B.6@2305.32,9804.29 2224.6,9804.3 2191.7,9837.2 2191.7,10417.2 2211.7,10437.2 v1(3341.7,10437.2)
  Bottom Layer w10: U2D.12@3313.98,7417.29 3241.7,7489.6 3241.7,8072.2 3391.7,8222.2 3391.7,8617.2 3471.7,8697.2 3471.7,9462.2 3386.7,9547.2 3386.7,10392.2 v1(3341.7,10437.2)
U1C_12: U1C.12 U1D.3 | length 1667.9
  Top Layer w10: v1(2451.7,8607.2) 2603.21,8607.2 U1C.12@2605.33,8605.08
  Bottom Layer w10: U1D.3@2305.33,7417.29 2151.6,7417.3 2126.7,7442.2 2126.7,7987.2 2481.7,8342.2 2481.7,8577.2 v1(2451.7,8607.2)
U1C_14: U1C.14 U1D.1 | length 1414.6
  Top Layer w10: U1D.1@2305.33,7617.29 2305.3,7715.8 2346.7,7757.2 v1(2521.7,7757.2)
  Bottom Layer w10: v1(2521.7,7757.2) 2521.7,8721.5 U1C.14@2605.33,8805.08
U1C_15: U1C.15 U2C.10 | length 897.2
  Top Layer w10: U1C.15@2605.33,8905.08 2608.21,8902.2 2691.7,8902.2 2736.7,8857.2 3066.7,8857.2 3121.7,8802.2 v1(3226.7,8802.2)
  Bottom Layer w10: v1(3226.7,8802.2) 3226.7,8692.36 U2C.10@3313.98,8605.08
U1E_2: pad.17 Q2.3 R13.2 U1E.2 | length 2790.7
  Bottom Layer w10: Q2.3@2532.96,4839.14 2533,4950.9 ; pad.17@2786.7,6632.2 2551.7,6632.2 2391.7,6472.2 2391.7,6009.18 U1E.2@2305.32,5922.8 2486.7,5741.4 2486.7,4997.2 2533,4950.9 ; R13.2@2998.2,4839.1 2998.2,4930.7 2976.7,4952.2 2534.2,4952.2 2533,4950.9